# Altium PCB 256sog - killed.PcbDoc (part 1 of 4) (continued)
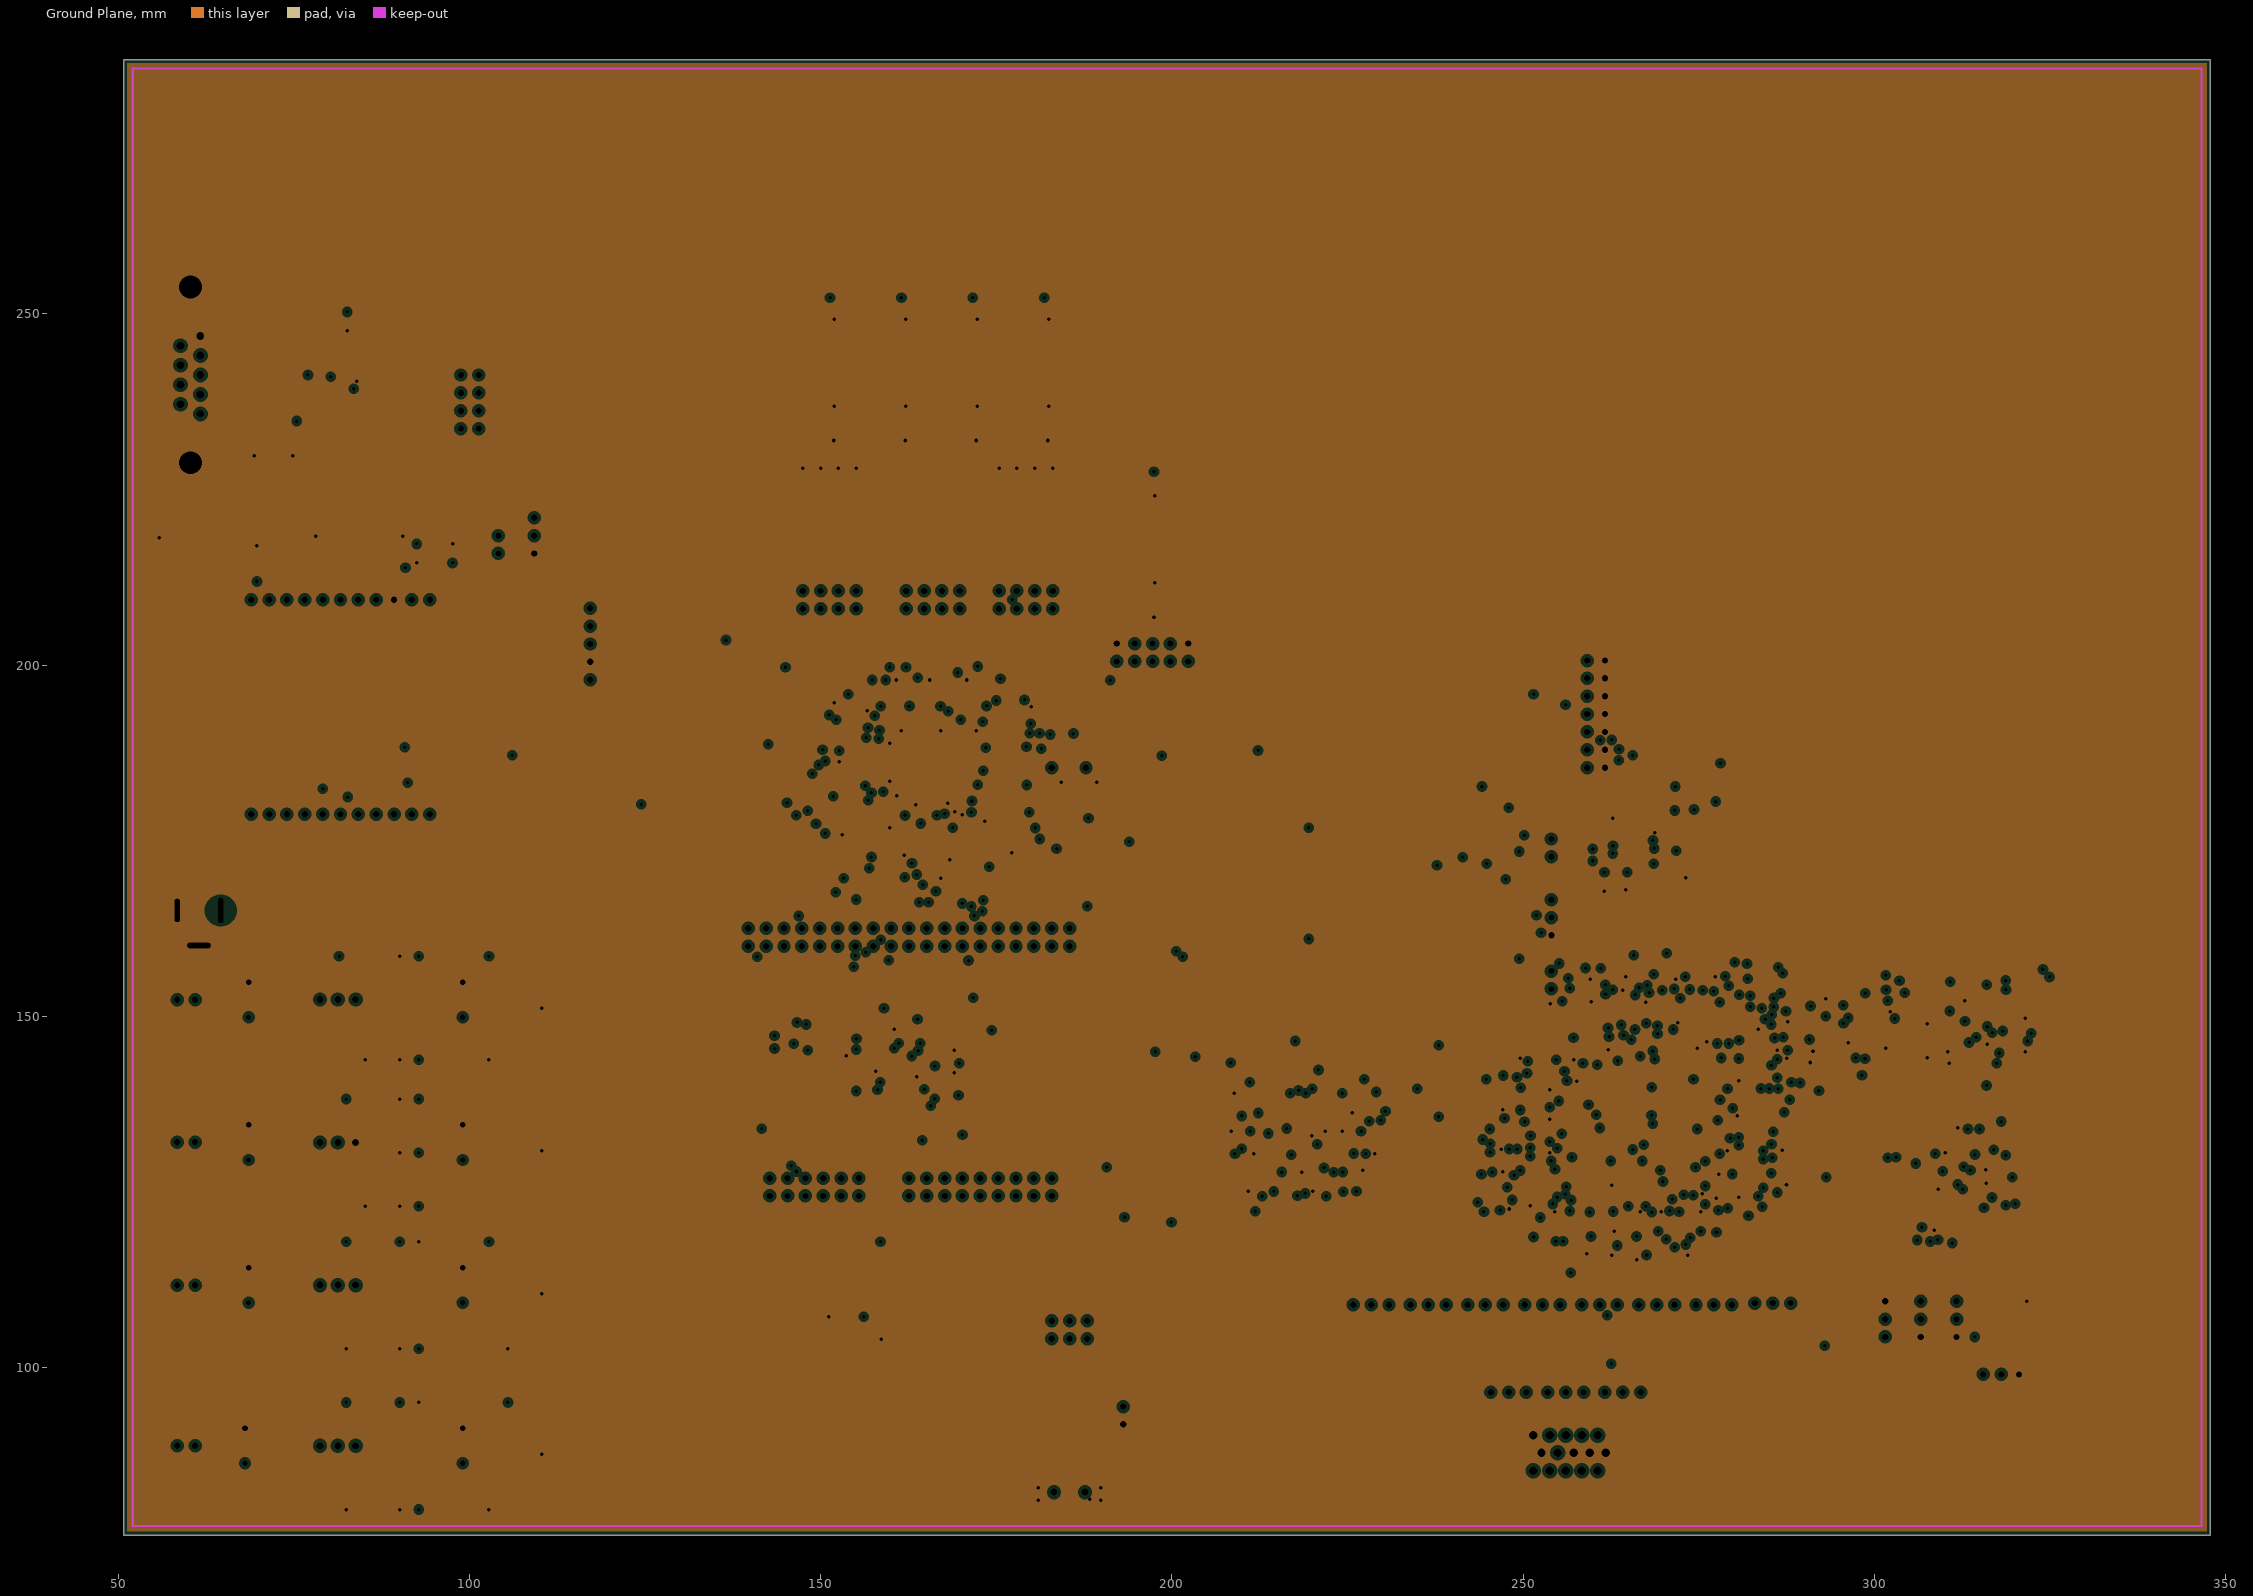
[diagram p3: Ground Plane, clearances drawn from the general rule]

## Layer stack, top to bottom
Top Layer: signal copper 0.0356
Dielectric: core 0.32, FR-4, Dk 4.8
Power Plane: plane copper 0.0356, net 3.3V
Dielectric: prepreg 0.32, FR-4, Dk 4.8
Ground Plane: plane copper 0.0356, net GND
Dielectric: core 0.32, FR-4, Dk 4.8
Bottom Layer: signal copper 0.0356

## Board outline
50.8,76.2 347.8,76.2 347.8,286.2 50.8,286.2

## Design rules (kind name [scope] priority, off if disabled: settings)
Clearance [All] p1: gap=0.15
MinimumAnnularRing [All] p1: minimumring=0.5
PlaneClearance [All] p1: clearance=0.508
PlaneConnect [All] p1: planeconnectstyle=Relief reliefexpansion=0.508 reliefentries=4 reliefconductorwidth=0.254 reliefairgap=0.254
PolygonConnect [All] p1: connectstyle=Relief reliefconductorwidth=0.254 reliefentries=4 polygonreliefangle="90 Angle"
RoomDefinition PCB [InComponentClass('PCB')] p1: confinementstyle=ConfineIn formatcopy=TRUE lockcomponents=FALSE outline 348.869,75.184 370.459,75.184 370.459,89.662 348.869,89.662
RoutingVias [All] p1: holewidth=0.5 width=1 viastyle="Through Hole" minholewidth=0.711 minwidth=1.27 maxholewidth=0.711 maxwidth=1.27
SilkscreenOverComponentPads [All] p1: minsilkscreentomaskgap=0.254
SolderMaskExpansion [All] p1: expansion=0.102
Width [All] p1: maxlimit=0.15 minlimit=0.15 preferedwidth=0.15
25 further rules are at their usual default settings.

## Classes and differential pairs
net class LED[0..7]: LED0 LED1 LED2 LED3 LED4 LED5 LED6 LED7
net class BTN[0..3]: BTN0 BTN1 BTN2 BTN3
net class AVR_FPGA[0..37]: AVR_FPGA0 AVR_FPGA1 AVR_FPGA2 AVR_FPGA3 AVR_FPGA4 AVR_FPGA5 AVR_FPGA6 AVR_FPGA7 AVR_FPGA8 AVR_FPGA9 AVR_FPGA10 AVR_FPGA11 AVR_FPGA12 AVR_FPGA13 AVR_FPGA14 AVR_FPGA15 AVR_FPGA16 AVR_FPGA17 AVR_FPGA18 AVR_FPGA19 AVR_FPGA20 AVR_FPGA21 AVR_FPGA22 AVR_FPGA23 AVR_FPGA24 AVR_FPGA25 AVR_FPGA26 AVR_FPGA27 AVR_FPGA28 AVR_FPGA29 AVR_FPGA30 AVR_FPGA31 AVR_FPGA32 AVR_FPGA33 AVR_FPGA34 AVR_FPGA35 AVR_FPGA36 AVR_FPGA37
net class AVR_MEM[0..27]: AVR_MEM0 AVR_MEM1 AVR_MEM2 AVR_MEM3 AVR_MEM4 AVR_MEM5 AVR_MEM6 AVR_MEM7 AVR_MEM8 AVR_MEM9 AVR_MEM10 AVR_MEM11 AVR_MEM12 AVR_MEM13 AVR_MEM14 AVR_MEM15 AVR_MEM16 AVR_MEM17 AVR_MEM18 AVR_MEM19 AVR_MEM20 AVR_MEM21 AVR_MEM22 AVR_MEM23 AVR_MEM24 AVR_MEM25 AVR_MEM26 AVR_MEM27
net class DATA_MEM[0..29]: DATA_MEM0 DATA_MEM1 DATA_MEM2 DATA_MEM3 DATA_MEM4 DATA_MEM5 DATA_MEM6 DATA_MEM7 DATA_MEM8 DATA_MEM9 DATA_MEM10 DATA_MEM11 DATA_MEM12 DATA_MEM13 DATA_MEM14 DATA_MEM15 DATA_MEM16 DATA_MEM17 DATA_MEM18 DATA_MEM19 DATA_MEM20 DATA_MEM21 DATA_MEM22 DATA_MEM23 DATA_MEM24 DATA_MEM25 DATA_MEM26 DATA_MEM27 DATA_MEM28 DATA_MEM29
net class FLASH/JTAG[0..9]: FLASH/JTAG0 FLASH/JTAG1 FLASH/JTAG2 FLASH/JTAG3 FLASH/JTAG4 FLASH/JTAG5 FLASH/JTAG6 FLASH/JTAG7 FLASH/JTAG8 FLASH/JTAG9
net class ORIG_AVR_MEM[0..27]: ORIG_AVR_MEM0 ORIG_AVR_MEM1 ORIG_AVR_MEM2 ORIG_AVR_MEM3 ORIG_AVR_MEM4 ORIG_AVR_MEM5 ORIG_AVR_MEM6 ORIG_AVR_MEM7 ORIG_AVR_MEM8 ORIG_AVR_MEM9 ORIG_AVR_MEM10 ORIG_AVR_MEM11 ORIG_AVR_MEM12 ORIG_AVR_MEM13 ORIG_AVR_MEM14 ORIG_AVR_MEM15 ORIG_AVR_MEM16 ORIG_AVR_MEM17 ORIG_AVR_MEM18 ORIG_AVR_MEM19 ORIG_AVR_MEM20 ORIG_AVR_MEM21 ORIG_AVR_MEM22 ORIG_AVR_MEM23 ORIG_AVR_MEM24 ORIG_AVR_MEM25 ORIG_AVR_MEM26 ORIG_AVR_MEM27
net class ORIG_BTN[0..3]: ORIG_BTN0 ORIG_BTN1 ORIG_BTN2 ORIG_BTN3
net class ORIG_LED[0..7]: ORIG_LED0 ORIG_LED1 ORIG_LED2 ORIG_LED3 ORIG_LED4 ORIG_LED5 ORIG_LED6 ORIG_LED7
net class PRO_MEM[0..40]: PRO_MEM0 PRO_MEM1 PRO_MEM2 PRO_MEM3 PRO_MEM4 PRO_MEM5 PRO_MEM6 PRO_MEM7 PRO_MEM8 PRO_MEM9 PRO_MEM10 PRO_MEM11 PRO_MEM12 PRO_MEM13 PRO_MEM14 PRO_MEM15 PRO_MEM16 PRO_MEM17 PRO_MEM18 PRO_MEM19 PRO_MEM20 PRO_MEM21 PRO_MEM22 PRO_MEM23 PRO_MEM24 PRO_MEM25 PRO_MEM26 PRO_MEM27 PRO_MEM28 PRO_MEM29 PRO_MEM30 PRO_MEM31 PRO_MEM32 PRO_MEM33 PRO_MEM34 PRO_MEM35 PRO_MEM36 PRO_MEM37 PRO_MEM38 PRO_MEM39 PRO_MEM40
net class SD_BUS[0..5]: SD_BUS0 SD_BUS1 SD_BUS2 SD_BUS3 SD_BUS4 SD_BUS5
net class SERIAL_BUS[0..3]: SERIAL_BUS0 SERIAL_BUS1 SERIAL_BUS2 SERIAL_BUS3
net class VGA_BUS[0..15]: VGA_BUS0 VGA_BUS1 VGA_BUS2 VGA_BUS3 VGA_BUS4 VGA_BUS5 VGA_BUS6 VGA_BUS7 VGA_BUS8 VGA_BUS9 VGA_BUS10 VGA_BUS11 VGA_BUS12 VGA_BUS13 VGA_BUS14 VGA_BUS15
net class VGA_MEM[0..27]: VGA_MEM0 VGA_MEM1 VGA_MEM2 VGA_MEM3 VGA_MEM4 VGA_MEM5 VGA_MEM6 VGA_MEM7 VGA_MEM8 VGA_MEM9 VGA_MEM10 VGA_MEM11 VGA_MEM12 VGA_MEM13 VGA_MEM14 VGA_MEM15 VGA_MEM16 VGA_MEM17 VGA_MEM18 VGA_MEM19 VGA_MEM20 VGA_MEM21 VGA_MEM22 VGA_MEM23 VGA_MEM24 VGA_MEM25 VGA_MEM26 VGA_MEM27
net class VGA_MODAL[0..18]: VGA_MODAL0 VGA_MODAL1 VGA_MODAL2 VGA_MODAL3 VGA_MODAL4 VGA_MODAL5 VGA_MODAL6 VGA_MODAL7 VGA_MODAL8 VGA_MODAL9 VGA_MODAL10 VGA_MODAL11 VGA_MODAL12 VGA_MODAL13 VGA_MODAL14 VGA_MODAL15 VGA_MODAL16 VGA_MODAL17 VGA_MODAL18

## Components (designator, comment, footprint, x,y, rotation, side; value= is the part's Value field where it differs from the comment)
AVR "AT32UC3A0" MY_TQFP144 165.1,185.42 r270 top
AVR_MEM "CY7C1049DV33" TSOP80P1180X120-44N 162.052,144.78 r180 top
B1 "Button" Button 88.9,213.868 r90 top
B2 "Button" Button 147.447,238.506 r0 top
B3 "Button" Button 157.607,238.506 r0 top
B4 "Button" Button 167.767,238.506 r0 top
B5 "Button" Button 177.927,238.506 r0 top
B6 "Button" Button 193.04,213.36 r0 top
C1 "Cap Semi" CAPC3216L 70.866,248.92 r270 top
C2 "Cap Semi" CAPC3216L 73.406,248.92 r90 top
C3 "Cap Semi" CAPC3216L 73.406,231.14 r270 top
C4 "Cap Semi" CAPC3216L 70.866,231.14 r270 top
C5 "Cap Semi" CAPC3216L 84.074,248.92 r270 top
C6 "Cap Semi" CAPC3216L 93.98,215.9 r90 top
C7 "Cap Semi" CAPC3216L 99.06,215.9 r270 top
C8 "Cap Semi" CAPC3216L 71.12,218.44 r0 top
C9 "Cap Semi" CAPC3216L 83.82,145.288 r180 top
C10 "Cap Semi" CAPC3216L 91.44,160.02 r0 top
C11 "Cap Semi" CAPC3216L 91.44,145.288 r0 top
C12 "Cap Semi" CAPC3216L 83.82,124.46 r180 top
C13 "Cap Semi" CAPC3216L 91.44,139.7 r0 top
C14 "Cap Semi" CAPC3216L 91.44,132.08 r0 top
C15 "Cap Semi" CAPC3216L 91.44,124.46 r0 top
C16 "Cap Semi" CAPC3216L 83.82,104.14 r0 top
C17 "Cap Semi" CAPC3216L 91.44,119.38 r180 top
C18 "Cap Semi" CAPC3216L 91.44,104.14 r0 top
C19 "Cap Semi" CAPC3216L 83.82,81.28 r0 top
C20 "Cap Semi" CAPC3216L 91.44,96.52 r180 top
C21 "Cap Semi" CAPC3216L 91.44,81.28 r0 top
C22 "Cap Semi" CAPC3216L 150.495,233.426 r180 top
C23 "Cap Semi" CAPC3216L 160.655,233.426 r180 top
C24 "Cap Semi" CAPC3216L 170.815,233.426 r180 top
C25 "Cap Semi" CAPC3216L 180.975,233.426 r180 top
C26 "Cap Semi" CAPC3216L 196.088,208.28 r180 top
C27 "Cap Semi" CAPC3216L 158.496,187.452 r180 bottom
C28 "Cap Semi" CAPC3216L 160.02,192.024 r90 bottom
C29 "Cap Semi" CAPC3216L 178.308,192.532 r270 bottom
C30 "Cap Semi" CAPC3216L 162.052,178.816 r270 bottom
C31 "Cap Semi" CAPC3216L 158.496,184.912 r180 bottom
C32 "Cap Semi" CAPC3216L 153.924,196.088 r180 bottom
C33 "Cap Semi" CAPC3216L 165.608,192.024 r270 bottom
C34 "Cap Semi" CAPC3216L 170.688,192.024 r270 bottom
C35 "Cap Semi" CAPC3216L 158.496,178.308 r0 bottom
C36 "Cap Semi" CAPC3216L 165.608,171.196 r270 bottom
C37 "Cap Semi" CAPC3216L 171.704,180.34 r180 bottom
C38 "Cap Semi" CAPC3216L 176.276,174.752 r0 bottom
C39 "Cap Semi" CAPC3216L 166.624,178.816 r90 bottom
C40 "Cap Semi" CAPC3216L 248.412,129.54 r180 bottom
C41 "Cap Semi" CAPC3216L 258.064,153.924 r90 bottom
C42 "Cap Semi" CAPC3216L 263.144,153.924 r90 bottom
C43 "Cap Semi" CAPC3216L 248.412,132.588 r180 bottom
C44 "Cap Semi" CAPC3216L 270.256,153.924 r90 bottom
C45 "Cap Semi" CAPC3216L 284.48,143.256 r90 bottom
C46 "Cap Semi" CAPC3216L 285.496,132.588 r180 bottom
C47 "Cap Semi" CAPC3216L 257.556,117.348 r90 bottom
C48 "Cap Semi" CAPC3216L 285.496,127.508 r180 bottom
C49 "Cap Semi" CAPC3216L 264.668,117.348 r90 bottom
C50 "Cap Semi" CAPC3216L 271.78,117.348 r90 bottom
C51 "Cap Semi" CAPC3216L 248.412,138.176 r0 bottom
C52 "Cap Semi" CAPC3216L 278.384,125.984 r180 bottom
C53 "Cap Semi" CAPC3216L 277.876,147.828 r180 bottom
C54 "Cap Semi" CAPC3216L 260.604,146.812 r270 bottom
C55 "Cap Semi" CAPC3216L 275.844,153.924 r90 bottom
C56 "Cap Semi" CAPC3216L 249.428,123.952 r270 bottom
C57 "Cap Semi" CAPC3216L 261.112,124.46 r90 bottom
C58 "Cap Semi" CAPC3216L 273.812,124.46 r90 bottom
C59 "Cap Semi" CAPC3216L 256.032,145.288 r0 bottom
C60 "Cap Semi" CAPC3216L 278.384,129.032 r0 bottom
C61 "Cap Semi" CAPC3216L 261.112,117.348 r90 bottom
C62 "Cap Semi" CAPC3216L 256.032,142.24 r180 bottom
C63 "Cap Semi" CAPC3216L 273.304,146.812 r90 bottom
C64 "Cap Semi" CAPC3216L 264.16,174.752 r270 bottom
C65 "Cap Semi" CAPC3216L 263.144,169.164 r90 bottom
C66 "Cap Semi" CAPC3216L 260.096,169.164 r90 bottom
C67 "Cap Semi" CAPC3216L 317.5,147.828 r270 bottom
C68 "Cap Semi" CAPC3216L 311.404,150.876 r270 bottom
C69 "Cap Semi" CAPC3216L 314.452,130.048 r0 bottom
C70 "Cap Semi" CAPC3216L 310.388,123.952 r0 bottom
C71 "Cap Semi" CAPC3216L 159.004,146.812 r90 bottom
C72 "Cap Semi" CAPC3216L 165.1,142.748 r90 bottom
C73 "Cap Semi" CAPC3216L 225.552,135.128 r0 bottom
C74 "Cap Semi" CAPC3216L 227.076,129.032 r180 bottom
C75 "Cap Semi" CAPC3216L 220.472,135.128 r180 bottom
C76 "Cap Semi" CAPC3216L 209.804,135.128 r0 bottom
C77 "Cap Semi" CAPC3216L 210.312,129.032 r180 bottom
C78 "Cap Semi" CAPC3216L 297.688,147.828 r270 bottom
C79 "Cap Semi" CAPC3216L 291.592,151.384 r270 bottom
C80 "Cap Semi" CAPC3216L 187.96,181.864 r0 top
C81 "Cap Semi" CAPC3216L 182.88,181.864 r0 top
Crystal "Crystal" Crystal 182.88,185.42 r0 top
D1 "HSMC-C177" 2.0X1.25X0.4 109.22,152.4 r0 top
D2 "HSMC-C177" 2.0X1.25X0.4 109.22,132.08 r0 top
D3 "HSMC-C177" 2.0X1.25X0.4 109.22,111.76 r0 top
D4 "HSMC-C177" 2.0X1.25X0.4 109.22,88.9 r0 top
D5 "HSMC-C177" 2.0X1.25X0.4 55.88,215.9 r90 top
D6 "HSMC-C177" 2.0X1.25X0.4 155.067,225.806 r90 top
D7 "HSMC-C177" 2.0X1.25X0.4 152.527,225.806 r90 top
D8 "HSMC-C177" 2.0X1.25X0.4 149.987,225.806 r90 top
D9 "HSMC-C177" 2.0X1.25X0.4 147.447,225.806 r90 top
D10 "HSMC-C177" 2.0X1.25X0.4 183.007,225.806 r90 top
D11 "HSMC-C177" 2.0X1.25X0.4 180.467,225.806 r90 top
D12 "HSMC-C177" 2.0X1.25X0.4 177.927,225.806 r90 top
D13 "HSMC-C177" 2.0X1.25X0.4 175.387,225.806 r90 top
DATA_MEM "Minne54P" TSOP80P1180X120-54N 218.44,132.08 r270 top
E1 "Cap Pol1" CAPPR5-5x5 68.58,152.4 r90 top
E2 "Cap Pol1" CAPPR5-5x5 99.06,152.4 r90 top
E3 "Cap Pol1" CAPPR5-5x5 68.58,132.08 r90 top
E4 "Cap Pol1" CAPPR5-5x5 99.06,132.08 r90 top
E5 "Cap Pol1" CAPPR5-5x5 68.58,111.76 r90 top
E6 "Cap Pol1" CAPPR5-5x5 99.06,111.76 r90 top
E7 "Cap Pol1" CAPPR5-5x5 68.072,88.9 r90 top
E8 "Cap Pol1" CAPPR5-5x5 99.06,88.9 r90 top
FLASH "XCF04SVOG20C" VOG20_N 264.16,175.26 r180 top
FPGA_ "XC3S500E-4PQG208C" PQG208_L 267.208,135.636 r0 top
FPGA_JTAG "FPGA-JTAG" HDR2X7 261.62,185.42 r90 top
JTAG1 "JTAG" HDR2X5 192.151,200.533 r0 top
Mini_USB "Mini_USB" My_USB 185.42,82.296 r90 top
O1 "Oscilator" Oscilator 320.04,104.394 r90 top
P1 "Header 2" HDR1X2 104.14,218.44 r270 top
P2 "Header 3" HDR1X3 109.22,220.98 r270 top
P3 "Header 2" HDR1X2 193.04,94.488 r270 top
P4 "Header 3X2" HDR2X3 182.88,104.14 r0 top
P5 "Header 4X2" HDR2X4 98.806,241.3 r270 top
P6 "Header 2" HDR1X2 58.42,152.4 r0 top
P7 "Header 2" HDR1X2 58.42,132.08 r0 top
P8 "Header 2" HDR1X2 58.42,111.76 r0 top
P9 "Header 2" HDR1X2 58.42,88.9 r0 top
P10 "Header 4X2" HDR2X4 183.007,210.566 r180 top
P11 "Header 4X2" HDR2X4 169.799,210.566 r180 top
P12 "Header 4X2" HDR2X4 155.067,210.566 r180 top
P13 "Header 6X2" HDR2X6 155.448,127 r180 top
P14 "Header 3" HDR1X3 254,166.624 r270 top
P15 "Header 3" HDR1X3 306.578,109.474 r270 top
P16 "Header 3" HDR1X3 311.658,109.474 r270 top
P17 "Header 2" HDR1X2 254,175.26 r270 top
P18 "Header 3" HDR1X3 225.806,108.966 r0 top
P19 "Header 3" HDR1X3 233.934,108.966 r0 top
P20 "Header 3" HDR1X3 242.062,108.966 r0 top
P21 "Header 3" HDR1X3 250.19,108.966 r0 top
P22 "Header 3" HDR1X3 258.318,108.966 r0 top
P23 "Header 3" HDR1X3 266.446,108.966 r0 top
P24 "Header 3" HDR1X3 274.574,108.966 r0 top
P25 "Header 3" HDR1X3 282.956,109.22 r0 top
P26 "Header 3" HDR1X3 266.7,96.52 r180 top
P27 "Header 3" HDR1X3 258.572,96.52 r180 top
P28 "Header 3" HDR1X3 250.444,96.52 r180 top
P29 "Header 19X2" HDR2X19 185.42,162.56 r180 top
P30 "Header 3" HDR1X3 301.498,104.394 r90 top
P31 "Header 9X2" HDR2X9 182.88,127 r180 top
P32 "Header 3" HDR1X3 315.468,99.06 r0 top
P33 "Header 2" HDR1X2 254,153.924 r90 top
PRO_MEM1 "CY7C1021DV33" TSOP80P1180X120-44N 314.452,149.352 r180 top
PRO_MEM2 "CY7C1021DV33" TSOP80P1180X120-44N 294.64,149.86 r180 top
PW "DC-10B" DC-10B 58.42,165.1 r0 top
R1 "Res Semi" RESC3216L 60.96,215.9 r270 top
R2 "Res Semi" RESC3216L 71.12,213.36 r180 top
R3 "Res Semi" RESC3216L 185.166,93.98 r270 top
R4 "Res Semi" RESC3216L 187.706,93.98 r270 top
R5 "Res Semi" RESC3216L 82.804,160.02 r180 top
R6 "Res Semi" RESC3216L 104.14,145.288 r0 top
R7 "Res Semi" RESC3216L 104.14,160.02 r180 top
R8 "Res Semi" RESC3216L 83.82,139.7 r180 top
R9 "Res Semi" RESC3216L 83.82,119.38 r180 top
R10 "Res Semi" RESC3216L 104.14,104.14 r180 top
R11 "Res Semi" RESC3216L 104.14,119.38 r180 top
R12 "Res Semi" RESC3216L 83.82,96.52 r180 top
R13 "Res Semi" RESC3216L 104.14,81.28 r0 top
R14 "Res Semi" RESC3216L 104.14,96.52 r0 top
R15 "Res Semi" RESC3216L 147.447,218.186 r270 top
R16 "Res Semi" RESC3216L 149.987,218.186 r270 top
R17 "Res Semi" RESC3216L 152.527,218.186 r270 top
R18 "Res Semi" RESC3216L 155.067,218.186 r270 top
R19 "Res Semi" RESC3216L 183.007,218.186 r270 top
R20 "Res Semi" RESC3216L 180.467,218.186 r270 top
R21 "Res Semi" RESC3216L 177.927,218.186 r270 top
R22 "Res Semi" RESC3216L 175.387,218.186 r270 top
R23 "Res Semi" RESC3216L 149.987,253.746 r0 top
R24 "Res Semi" RESC3216L 160.147,253.746 r0 top
R25 "Res Semi" RESC3216L 170.307,253.746 r0 top
R26 "Res Semi" RESC3216L 180.467,253.746 r0 top
R27 "Res Semi" RESC3216L 196.088,226.06 r0 top
R28 "Res Semi" RESC3216L 251.46,195.58 r0 top
R29 "Res Semi" RESC3216L 251.46,190.5 r0 top
R30 "Res Semi" RESC3216L 251.46,187.96 r0 top
R31 "Res Semi" RESC3216L 271.78,178.689 r180 top
R32 "Res Semi" RESC3216L 271.78,181.229 r180 top
R33 "Res Semi" RESC3216L 271.78,173.736 r0 top
R34 "Res Semi" RESC3216L 271.78,171.196 r180 top
R35 "Res Semi" RESC3216L 271.78,176.276 r180 top
R36 "Res Semi" RESC3216L 225.806,102.997 r90 top
R37 "Res Semi" RESC3216L 230.886,102.997 r90 top
R38 "Res Semi" RESC3216L 233.68,103.124 r90 top
R39 "Res Semi" RESC3216L 239.268,103.124 r90 top
R40 "Res Semi" RESC3216L 241.808,103.124 r270 top
R41 "Res Semi" RESC3216L 247.396,103.124 r90 top
R42 "Res Semi" RESC3216L 249.936,103.124 r90 top
R43 "Res Semi" RESC3216L 255.524,103.124 r90 top
R44 "Res Semi" RESC3216L 258.064,103.124 r90 top
R45 "Res Semi" RESC3216L 263.652,103.124 r90 top
R46 "Res Semi" RESC3216L 266.7,103.124 r90 top
R47 "Res Semi" RESC3216L 271.78,103.124 r90 top
R48 "Res Semi" RESC3216L 274.32,103.124 r90 top
R49 "Res Semi" RESC3216L 279.908,103.124 r90 top
R50 "Res Semi" RESC3216L 282.956,103.124 r90 top
R51 "Res Semi" RESC3216L 288.036,103.124 r90 top
R52 "Res Semi" RESC3216L 292.608,103.124 r90 top
R53 "Res Semi" RESC3216L 296.164,103.124 r90 top
RS-232_Driver "MAX3232ECAE" SSOP16_N 78.486,238.76 r0 top
SD_CARD "SD_CARD" SD_CARD 166.116,105.664 r0 top
Serial "D Connector 9" DSUB1.385-2H9 50.8,241.3 r90 top
VGA_MEM "CY7C1049DV33" TSOP80P1180X120-44N 312.42,127 r90 top
VGA_Modul "VGAModul" VGAModul 68.961,209.296 r270 top
VGA_PORT "DE15F-VGA" DE15F-VGA 260.604,90.424 r0 top
VR1 "LM1084IT-ADJ" T03B 81.28,152.4 r180 top
VR2 "LM1084IT-3.3" T03B 81.28,132.08 r180 top
VR3 "LM1084IT-ADJ" T03B 81.28,111.76 r180 top
VR4 "LM1084IT-ADJ" T03B 81.28,88.9 r180 top

## Footprints (in the part's own frame and the unit in brackets; to place one, negate y for a bottom-side part, rotate by r counter-clockwise, add the part's x,y. Pads: shape width x height; smd on the part's side, far side on the other; paste and mask are expansions set on the pad)
2.0X1.25X0.4 [mm] "SM LED; 2 Flat Leads"
  rect 1.2x1.2 smd: 1(-1.05,0) 2(1.05,0)
  silkscreen extent -2.05,-1 2.35,1
Button [mm]
  rect 1.4x2.1 smd: 1(4.5,9.1) 2(4.5,0) 3(0,9.1) 4(0,0)
  silkscreen extent -0.7,1.55 5.21,7.62
CAPC3216L [mm] "Chip Capacitor, Body 3.2x1.6mm, IPC High Density"
  rect 1.1x1.7 smd: 1(-1.35,0) 2(1.35,0)
  silkscreen extent -0.4,-0.75 0.4,0.75, body extent -1.7,-0.9 1.7,0.9, height 1.3
CAPPR5-5x5 [mm] "Capacitor, Electrolytic, Radial; Body 5 x 5 mm (Dia.xH typ); Pin Spacing 5 mm (typ)"
  rect 1.25x1.25 hole 0.75: 1(-2.5,0)
  round 1.35 hole 0.8: 2(2.5,0)
  silkscreen extent -2.26,-2.5 2.27,2.5
Crystal [mil]
  round 60 hole 35.43: 1(0,0) 2(192.13,0)
  silkscreen extent -116,-85 308,85
DC-10B [mil]
  oval 60x170 hole 30 slot 140 at 90 deg: 1(244.09,0)
  oval 160x60 hole 30 slot 130 at 0 deg: 2(122.05,-196.85)
  oval 60x160 hole 30 slot 130 at 90 deg: 3(0,0)
  silkscreen extent -295,-200 245,197
DE15F-VGA [mm]
  round 1.524 hole 1.2: 1(0,0) 2(-2.29,0) 3(-4.58,0) 4(-6.87,0) 5(-9.16,0) 6(1.14,-2.54) 7(-1.15,-2.54) 8(-3.44,-2.54) 9(-5.73,-2.54) 10(-8.02,-2.54) 11(0,-5.08) 12(-2.29,-5.08) 13(-4.58,-5.08) 14(-6.87,-5.08) 15(-9.16,-5.08)
  round 3.2 on Drill Drawing: 16(8.18,-2.54) 17(-16.81,-2.54)
  silkscreen extent -19.87,-13.98 11.55,1.53
DSUB1.385-2H9 [mm] "Connector; D Subminiature; 9 Position; Right Angle; Pitch 1.385 mm"
  rect 1.69x1.69 hole 1.09: 1(-5.54,-10.92)
  round 1.69 hole 1.09: 2(-2.77,-10.92) 3(0,-10.92) 4(2.77,-10.92) 5(5.54,-10.92) 6(-4.155,-8.08) 7(-1.385,-8.08) 8(1.385,-8.08) 9(4.155,-8.08)
  round 4.76 hole 3.26: 10(-12.495,-9.5) 11(12.495,-9.5)
  silkscreen extent -15.4,-12.4 15.4,6
HDR1X2 [mm] "Connector; Header; 2 Position"
  rect 1.5x1.5 hole 0.9: 1(0,0)
  round 1.5 hole 0.9: 2(2.54,0)
  silkscreen extent -1.27,-1.27 3.81,1.27
HDR1X3 [mm] "Connector; Header; 3 Position"
  rect 1.5x1.5 hole 0.9: 1(0,0)
  round 1.5 hole 0.9: 2(2.54,0) 3(5.08,0)
  silkscreen extent -1.27,-1.27 6.35,1.27
HDR2X3 [mm] "Connector; Header; 3x2 Position"
  rect 1.5x1.5 hole 0.9: 1(0,0)
  round 1.5 hole 0.9: 2(0,2.54) 3(2.54,0) 4(2.54,2.54) 5(5.08,0) 6(5.08,2.54)
  silkscreen extent -1.27,-1.27 6.35,3.81
HDR2X4 [mm] "Connector; Header; 4x2 Position"
  rect 1.5x1.5 hole 0.9: 1(0,0)
  round 1.5 hole 0.9: 2(0,2.54) 3(2.54,0) 4(2.54,2.54) 5(5.08,0) 6(5.08,2.54) 7(7.62,0) 8(7.62,2.54)
  silkscreen extent -1.27,-1.27 8.89,3.81
HDR2X5 [mm] "Connector; Header; 5x2 Position"
  rect 1.5x1.5 hole 0.9: 1(0,0)
  round 1.5 hole 0.9: 2(0,2.54) 3(2.54,0) 4(2.54,2.54) 5(5.08,0) 6(5.08,2.54) 7(7.62,0) 8(7.62,2.54) 9(10.16,0) 10(10.16,2.54)
  silkscreen extent -1.27,-1.27 11.43,3.81
HDR2X6 [mm] "Connector; Header; 6x2 Position"
  rect 1.5x1.5 hole 0.9: 1(0,0)
  round 1.5 hole 0.9: 2(0,2.54) 3(2.54,0) 4(2.54,2.54) 5(5.08,0) 6(5.08,2.54) 7(7.62,0) 8(7.62,2.54) 9(10.16,0) 10(10.16,2.54) 11(12.7,0) 12(12.7,2.54)
  silkscreen extent -1.27,-1.27 13.97,3.81
HDR2X7 [mm] "Connector; Header; 7x2 Position"
  rect 1.5x1.5 hole 0.9: 1(0,0)
  round 1.5 hole 0.9: 2(0,2.54) 3(2.54,0) 4(2.54,2.54) 5(5.08,0) 6(5.08,2.54) 7(7.62,0) 8(7.62,2.54) 9(10.16,0) 10(10.16,2.54) 11(12.7,0) 12(12.7,2.54) 13(15.24,0) 14(15.24,2.54)
  silkscreen extent -1.27,-1.27 16.51,3.81
HDR2X9 [mm] "Connector; Header; 9x2 Position"
  rect 1.5x1.5 hole 0.9: 1(0,0)
  round 1.5 hole 0.9: 2(0,2.54) 3(2.54,0) 4(2.54,2.54) 5(5.08,0) 6(5.08,2.54) 7(7.62,0) 8(7.62,2.54) 9(10.16,0) 10(10.16,2.54) 11(12.7,0) 12(12.7,2.54) 13(15.24,0) 14(15.24,2.54) 15(17.78,0) 16(17.78,2.54) 17(20.32,0) 18(20.32,2.54)
  silkscreen extent -1.27,-1.27 21.59,3.81
HDR2X19 [mm] "Connector; Header; 19x2 Position"
  rect 1.5x1.5 hole 0.9: 1(0,0)
  round 1.5 hole 0.9: 2(0,2.54) 3(2.54,0) 4(2.54,2.54) 5(5.08,0) 6(5.08,2.54) 7(7.62,0) 8(7.62,2.54) 9(10.16,0) 10(10.16,2.54) 11(12.7,0) 12(12.7,2.54) 13(15.24,0) 14(15.24,2.54) 15(17.78,0) 16(17.78,2.54) 17(20.32,0) 18(20.32,2.54) 19(22.86,0) 20(22.86,2.54) 21(25.4,0) 22(25.4,2.54) 23(27.94,0) 24(27.94,2.54) 25(30.48,0) 26(30.48,2.54) 27(33.02,0) 28(33.02,2.54) 29(35.56,0) 30(35.56,2.54) 31(38.1,0) 32(38.1,2.54) 33(40.64,0) 34(40.64,2.54) 35(43.18,0) 36(43.18,2.54) 37(45.72,0) 38(45.72,2.54)